# Altium PCB fpgav2.2.PcbDoc (part 3 of 5)
Units mm, origin at the board's own origin, x right, y up, seen from the top; angles counter-clockwise.
Board outline 100 x 100 mm, 4 copper layers (Top Layer, S1, S2, Bottom Layer), stack 1.853 mm thick; 11 components, 223 nets, 672 pads, 762 vias.
Unrouted connection lines stored in the file: 7.
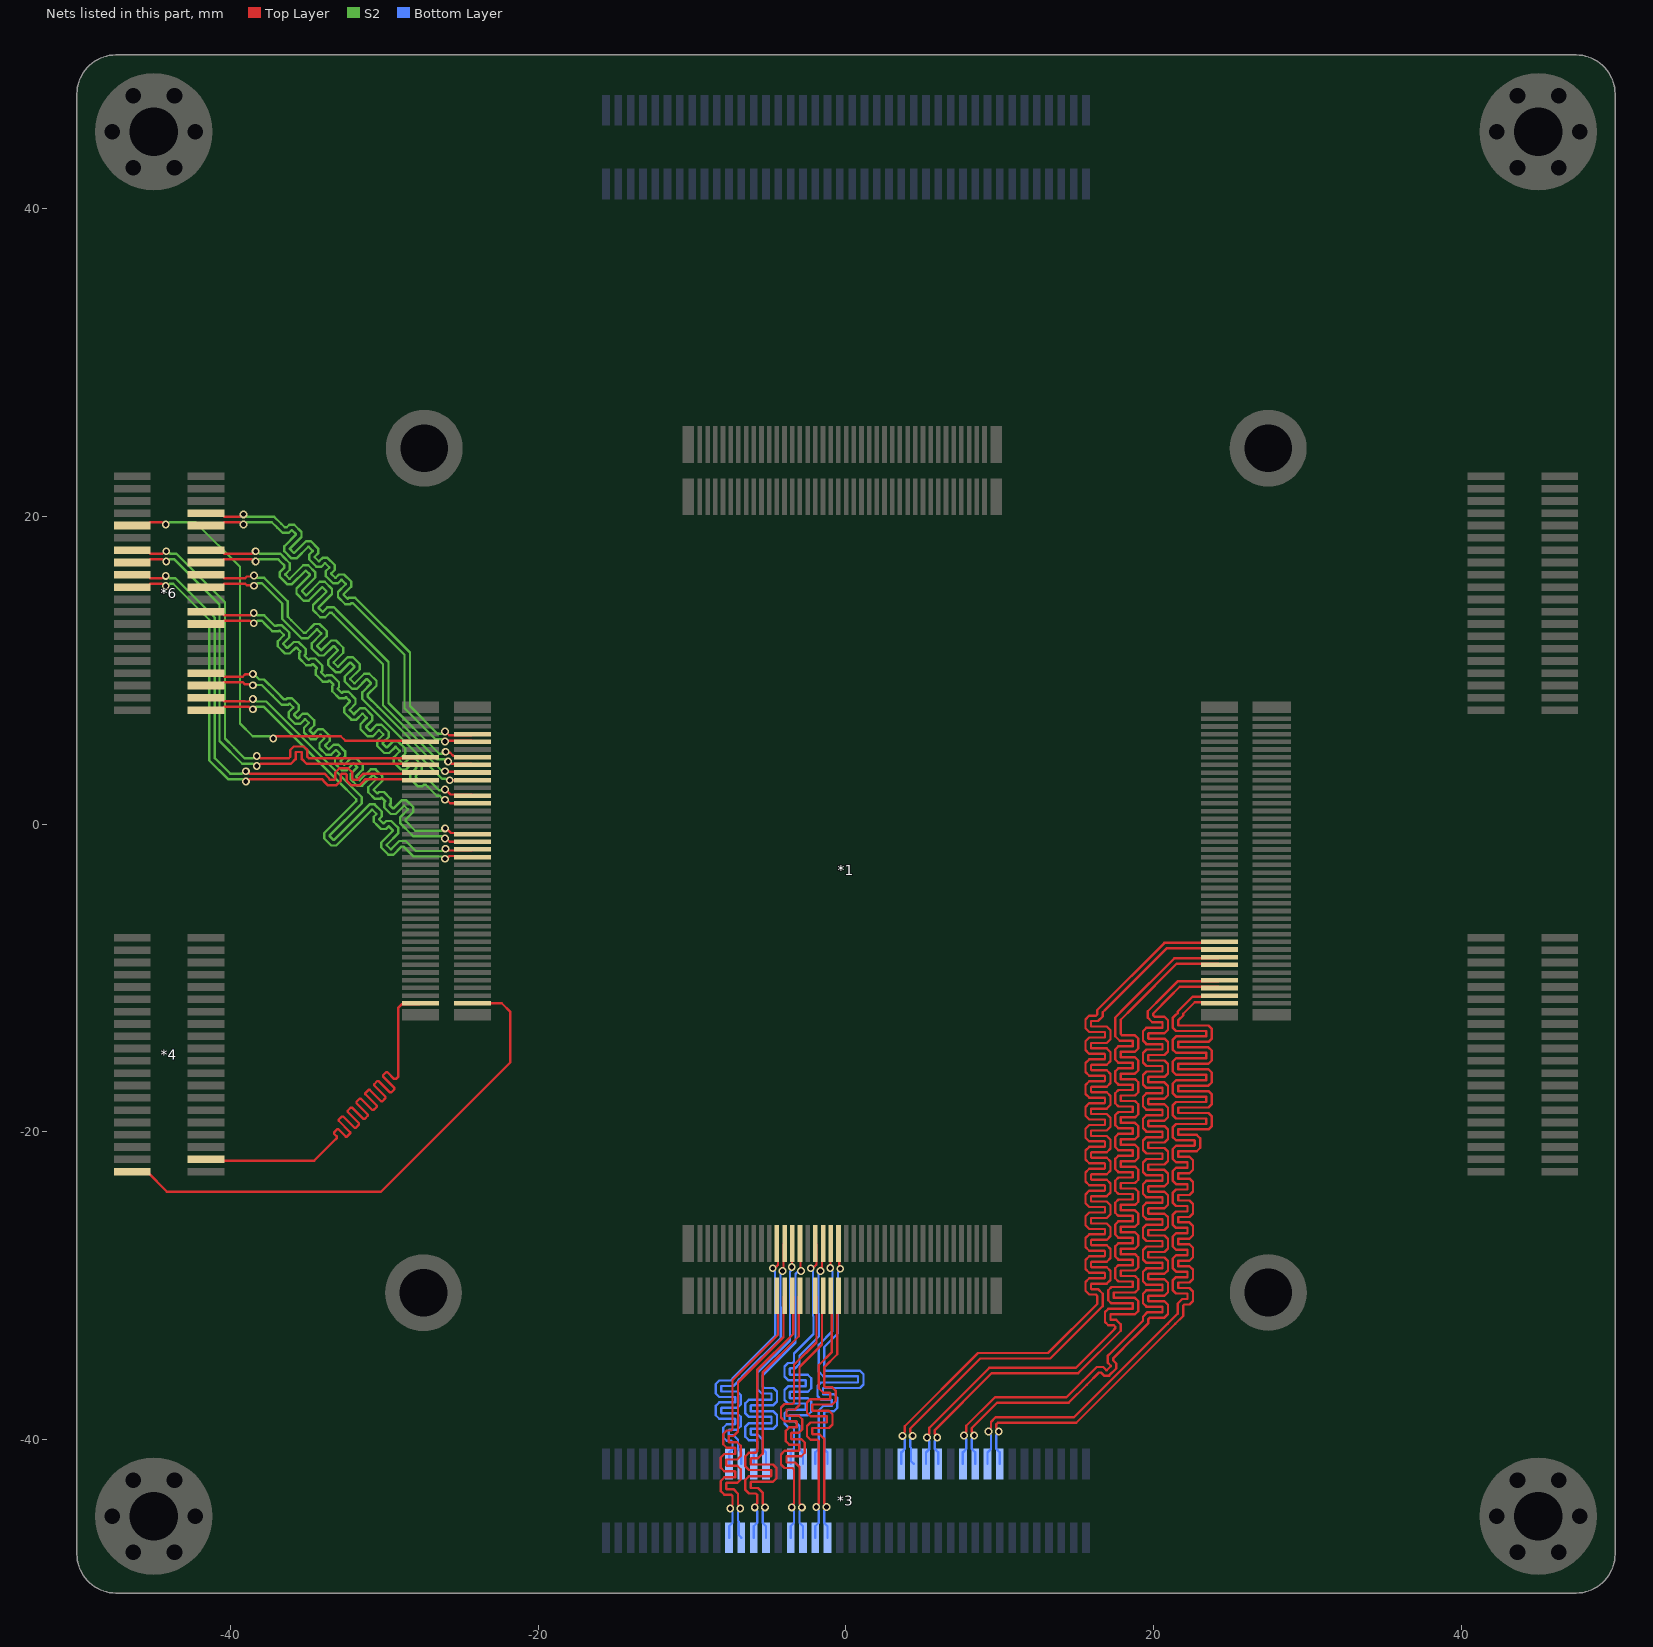
[diagram p5: the nets of this part, all layers, seen from the top]

## Via types
v1: diameter 0.508, hole 0.305, Top Layer to Bottom Layer, 418 vias
v2: diameter 0.635, hole 0.381, Top Layer to Bottom Layer, 340 vias
v3: diameter 0.559, hole 0.305, Top Layer to Bottom Layer, 4 vias

## Nets (pads, with @x,y where several pads share a name; then routed paths per layer and width w, separated by ;. In a path a pad name is that pad's centre, name@x,y a point inside that pad or via, vN(x,y) a via of type N, cw(c..) or ccw(c..) an arc to the next point about the centre after c; other vN are vias at no path point) (continued)
B15_L16_P: *1.232 *6.31 | length 30.7
  Top Layer w0.152: *6.31@-46.4,19.4 -45.45,19.4 -45.228,19.622 -44.47,19.622 ; v1(-37.236,5.553) -37.236,5.558 -37.09,5.705 -35.135,5.705 -35.13,5.71 -32.85,5.71 -32.559,5.419 -27.743,5.419 *1.232@-27.671,5.346
  S2 w0.152: v1(-44.221,19.47) -44.125,19.47 -43.973,19.622 -42.299,19.622 -39.397,16.72 -39.397,6.53 -38.573,5.705 -37.485,5.705 -37.333,5.553 v1(-37.236,5.553)
B15_L17_N: *1.226 *6.25 | length 30.3
  Top Layer w0.152: *6.25@-46.4,17 -45.45,17 -45.228,17.222 -44.824,17.222 -44.445,17.222 ; -38.055,3.919 -36.703,3.919 -36.076,3.919 -35.779,4.216 -35.779,4.66 -35.759,4.681 -35.393,4.681 -35.372,4.66 -35.372,4.216 -35.075,3.919 -33.985,3.919 -27.743,3.919 *1.226@-27.671,3.846
  S2 w0.152: v1(-44.196,17.07) -44.1,17.07 -43.947,17.222 -43.684,17.222 -40.73,14.268 -40.73,5.404 -39.245,3.919 -38.552,3.919 -38.399,3.766 v1(-38.303,3.766)
B15_L17_P: *1.228 *6.27 | length 30.3
  Top Layer w0.152: *6.27@-46.4,17.8 -45.45,17.8 -45.228,17.578 -44.971,17.578 -44.445,17.578 ; -38.055,4.274 -36.703,4.274 -36.224,4.274 -36.134,4.363 -36.134,4.808 -35.906,5.036 -35.245,5.036 -35.017,4.808 -35.017,4.363 -34.928,4.274 -33.985,4.274 -27.743,4.274 *1.228@-27.671,4.346
  S2 w0.152: v1(-44.196,17.73) -44.1,17.73 -43.947,17.578 -43.537,17.578 -40.374,14.415 -40.374,5.551 -39.775,4.952 -39.649,4.826 -39.098,4.274 -38.552,4.274 -38.399,4.427 v1(-38.303,4.427)
B15_L18_N: *1.224 *6.23 | length 30.5
  Top Layer w0.152: *6.23@-46.4,16.2 -45.45,16.2 -45.228,15.978 -44.47,15.978 ; -38.766,3.274 -37.821,3.274 -33.911,3.274 -33.614,2.977 -33.614,2.943 -33.553,2.882 -33.268,2.882 -33.207,2.943 -33.207,3.344 -32.938,3.614 -32.359,3.614 -32.09,3.344 -32.09,2.943 -32.029,2.882 -31.744,2.882 -31.683,2.943 -31.683,2.977 -31.386,3.274 -31.058,3.274 -27.743,3.274 *1.224@-27.671,3.346
  S2 w0.152: v1(-44.221,16.13) -44.125,16.13 -43.973,15.978 -43.592,15.978 -41.035,13.421 -41.035,4.281 -40.028,3.274 -39.263,3.274 -39.111,3.427 v1(-39.014,3.427)
B15_L18_P: *1.222 *6.21 | length 30.5
  Top Layer w0.152: *6.21@-46.4,15.4 -45.45,15.4 -45.228,15.622 -44.47,15.622 ; -38.766,2.919 -37.821,2.919 -34.058,2.919 -33.969,2.829 -33.969,2.796 -33.7,2.526 -33.121,2.526 -32.852,2.796 -32.852,3.197 -32.791,3.258 -32.506,3.258 -32.445,3.197 -32.445,2.796 -32.176,2.526 -31.597,2.526 -31.328,2.796 -31.328,2.829 -31.238,2.919 -31.058,2.919 -27.743,2.919 *1.222@-27.671,2.846
  S2 w0.152: v1(-44.221,15.47) -44.125,15.47 -43.973,15.622 -43.739,15.622 -41.39,13.274 -41.39,4.134 -40.175,2.919 -39.263,2.919 -39.111,2.766 v1(-39.014,2.766)
B15_L19_N: *1.203 *6.4 | length 30.7
  Top Layer w0.152: *6.4@-41.6,8.2 -40.65,8.2 -40.428,7.978 -39.074,7.978 -39.065,7.969 -38.815,7.969 -38.655,8.128 v1(-38.559,8.128) ; v1@-25.824,-1.726 -24.344,-1.726 *1.203@-24.272,-1.654
  S2 w0.152: v1(-38.559,8.128) -38.486,8.128 -38.327,7.969 -37.692,7.969 -32.78,3.057 -31.482,1.759 -31.482,1.338 -33.573,-0.753 -33.573,-0.782 -33.315,-1.04 -33.286,-1.04 -30.969,1.277 -30.646,1.277 -30.179,0.81 -30.179,0.487 -30.347,0.319 -30.347,0.29 -30.088,0.031 -30.059,0.031 -29.891,0.199 -29.568,0.199 -29.347,-0.022 -29.101,-0.268 -29.101,-0.591 -29.861,-1.351 -29.861,-1.379 -29.602,-1.638 -29.573,-1.638 -29.04,-1.104 -28.619,-1.104 -28.387,-1.336 -27.966,-1.757 -26.29,-1.757 -26.138,-1.605 v1(-26.041,-1.605)
B15_L19_P: *1.201 *6.2 | length 31
  Top Layer w0.152: *6.2@-41.6,7.4 -40.65,7.4 -40.428,7.622 -39.221,7.622 -39.212,7.613 -38.815,7.613 -38.655,7.454 v1(-38.559,7.454) ; v1(-26.065,-2.265) -25.968,-2.265 -25.785,-2.082 -24.344,-2.082 *1.201@-24.272,-2.154
  S2 w0.152: v1(-38.559,7.454) -38.493,7.454 -38.334,7.613 -37.839,7.613 -33.031,2.805 -31.838,1.612 -31.838,1.486 -33.929,-0.606 -33.929,-0.929 -33.462,-1.396 -33.139,-1.396 -30.822,0.921 -30.793,0.921 -30.534,0.663 -30.534,0.634 -30.702,0.466 -30.702,0.143 -30.456,-0.104 -30.235,-0.324 -29.912,-0.324 -29.744,-0.156 -29.715,-0.156 -29.457,-0.415 -29.457,-0.444 -30.216,-1.203 -30.216,-1.527 -29.749,-1.994 -29.426,-1.994 -28.892,-1.46 -28.766,-1.46 -28.638,-1.588 -28.113,-2.113 -26.313,-2.113 -26.161,-2.265 v1(-26.065,-2.265)
B15_L20_N: *1.207 *6.8 | length 31.4
  Top Layer w0.152: *6.8@-41.6,9.8 -40.65,9.8 -40.428,9.578 -39.214,9.578 -39.065,9.727 -38.586,9.727 v1(-38.559,9.754) ; v1(-26.061,-0.285) -25.969,-0.285 -25.674,-0.58 -24.346,-0.58 *1.207@-24.272,-0.654
  S2 w0.152: v1(-38.559,9.754) -38.505,9.754 -38.147,9.395 -37.83,9.395 -37.027,8.592 -36.534,8.1 -36.408,8.1 -36.333,8.175 -36.013,8.175 -35.579,7.74 -35.579,7.421 -35.882,7.118 -35.882,7.092 -35.655,6.866 -35.63,6.866 -35.326,7.17 -35.006,7.17 -34.572,6.736 -34.572,6.416 -34.876,6.112 -34.876,6.087 -34.65,5.86 -34.624,5.86 -34.321,6.163 -34.002,6.163 -33.567,5.729 -33.567,5.409 -33.87,5.106 -33.87,5.081 -33.644,4.855 -33.619,4.855 -33.316,5.158 -32.996,5.158 -32.561,4.723 -32.561,4.403 -32.864,4.1 -32.864,4.075 -32.638,3.849 -32.613,3.849 -32.179,4.283 -31.859,4.283 -31.425,3.848 -31.425,3.528 -31.858,3.094 -31.858,3.069 -31.632,2.843 -31.607,2.843 -30.901,3.549 -30.581,3.549 -30.147,3.115 -30.147,2.795 -30.702,2.239 -30.702,2.214 -30.476,1.988 -30.451,1.988 -30.36,2.078 -30.04,2.078 -29.606,1.644 -29.606,1.324 -29.67,1.26 -29.67,1.235 -29.443,1.009 -29.418,1.009 -28.889,1.538 -28.57,1.538 -28.135,1.103 -28.135,0.783 -28.613,0.305 -28.613,0.179 -27.998,-0.437 -27.968,-0.437 -26.31,-0.437 -26.157,-0.285 v1(-26.061,-0.285)
B15_L20_P: *1.205 *6.6 | length 31.2
  Top Layer w0.152: *6.6@-41.6,9 -40.65,9 -40.428,9.222 -39.214,9.222 -39.07,9.078 -38.619,9.078 v1(-38.559,9.018) ; v1(-26.069,-0.945) -25.973,-0.945 -25.764,-1.154 *1.205@-24.272,-1.154
  S2 w0.152: v1(-38.559,9.018) -38.537,9.04 -37.978,9.04 -37.278,8.34 -36.682,7.744 -36.261,7.744 -36.186,7.819 -36.16,7.819 -35.934,7.593 -35.934,7.568 -36.237,7.265 -36.237,6.945 -35.803,6.511 -35.483,6.511 -35.179,6.815 -35.154,6.815 -34.927,6.588 -34.927,6.563 -35.231,6.259 -35.231,5.939 -34.797,5.505 -34.477,5.505 -34.174,5.808 -34.149,5.808 -33.922,5.582 -33.922,5.556 -34.226,5.253 -34.226,4.934 -33.791,4.499 -33.471,4.499 -33.168,4.802 -33.143,4.802 -32.917,4.576 -32.917,4.551 -33.22,4.248 -33.22,3.928 -32.785,3.493 -32.466,3.493 -32.032,3.927 -32.007,3.927 -31.78,3.701 -31.78,3.676 -32.214,3.242 -32.214,2.922 -31.779,2.487 -31.46,2.487 -30.754,3.194 -30.728,3.194 -30.502,2.967 -30.502,2.942 -31.058,2.386 -31.058,2.067 -30.623,1.632 -30.303,1.632 -30.213,1.723 -30.188,1.723 -29.961,1.496 -29.961,1.471 -30.025,1.407 -30.025,1.088 -29.591,0.653 -29.271,0.653 -28.742,1.182 -28.717,1.182 -28.491,0.956 -28.491,0.93 -28.969,0.452 -28.969,0.031 -28.234,-0.703 -28.145,-0.793 -26.317,-0.793 -26.165,-0.945 v1(-26.069,-0.945)
B15_L21_N: *1.217 *6.18 | length 31.4
  Top Layer w0.152: *6.18@-41.6,13.8 -40.65,13.8 -40.428,13.578 -39.246,13.578 -39.232,13.564 -38.755,13.564 -38.603,13.716 v1(-38.506,13.716) ; v1(-26.065,2.241) -26.024,2.241 -25.703,1.92 -24.346,1.92 *1.217@-24.272,1.846
  S2 w0.152: v1(-38.506,13.716) -38.41,13.716 -38.258,13.564 -37.826,13.564 -37.48,13.218 -37.143,12.881 -37.017,12.881 -36.985,12.912 -36.662,12.912 -36.195,12.446 -36.195,12.122 -36.591,11.727 -36.591,11.698 -36.332,11.439 -36.303,11.439 -35.908,11.835 -35.585,11.835 -35.118,11.368 -35.118,11.045 -35.198,10.964 -35.198,10.936 -34.939,10.677 -34.91,10.677 -34.83,10.757 -34.507,10.757 -34.04,10.29 -34.04,9.967 -34.12,9.887 -34.12,9.858 -33.861,9.599 -33.833,9.599 -33.753,9.68 -33.429,9.68 -32.962,9.213 -32.962,8.889 -33.042,8.809 -33.042,8.78 -32.784,8.522 -32.755,8.522 -32.675,8.602 -32.352,8.602 -31.885,8.135 -31.885,7.812 -32.266,7.431 -32.266,7.402 -32.007,7.143 -31.978,7.143 -31.597,7.524 -31.274,7.524 -30.807,7.057 -30.807,6.734 -31.203,6.339 -31.203,6.31 -30.944,6.051 -30.915,6.051 -30.52,6.447 -30.196,6.447 -29.729,5.98 -29.729,5.656 -30.125,5.261 -30.125,5.232 -29.866,4.974 -29.838,4.974 -29.442,5.369 -29.119,5.369 -28.652,4.902 -28.652,4.579 -29.047,4.183 -29.047,4.155 -28.789,3.896 -28.76,3.896 -28.364,4.291 -28.041,4.291 -27.574,3.824 -27.574,3.501 -27.97,3.106 -27.97,3.077 -27.711,2.818 -27.682,2.818 -27.592,2.909 -27.171,2.909 -26.939,2.677 -26.458,2.196 -26.11,2.196 v1(-26.065,2.241)
B15_L21_P: *1.215 *6.16 | length 31.4
  Top Layer w0.152: *6.16@-41.6,13 -40.65,13 -40.428,13.222 -39.417,13.222 -39.402,13.208 -38.755,13.208 -38.603,13.056 v1(-38.506,13.056) ; v1(-26.065,1.581) -25.968,1.581 -25.734,1.346 *1.215@-24.272,1.346
  S2 w0.152: v1(-38.506,13.056) -38.41,13.056 -38.258,13.208 -37.973,13.208 -37.732,12.967 -37.29,12.525 -36.87,12.525 -36.838,12.557 -36.809,12.557 -36.551,12.298 -36.551,12.269 -36.946,11.874 -36.946,11.551 -36.479,11.084 -36.156,11.084 -35.761,11.479 -35.732,11.479 -35.473,11.221 -35.473,11.192 -35.553,11.112 -35.553,10.788 -35.086,10.321 -34.763,10.321 -34.683,10.402 -34.654,10.402 -34.396,10.143 -34.396,10.114 -34.476,10.034 -34.476,9.711 -34.009,9.244 -33.685,9.244 -33.605,9.324 -33.577,9.324 -33.318,9.065 -33.318,9.037 -33.398,8.956 -33.398,8.633 -32.931,8.166 -32.608,8.166 -32.528,8.246 -32.499,8.246 -32.24,7.988 -32.24,7.959 -32.621,7.578 -32.621,7.255 -32.154,6.788 -31.831,6.788 -31.45,7.169 -31.421,7.169 -31.163,6.91 -31.163,6.881 -31.558,6.486 -31.558,6.163 -31.091,5.696 -30.768,5.696 -30.372,6.091 -30.344,6.091 -30.085,5.832 -30.085,5.804 -30.481,5.408 -30.481,5.085 -30.014,4.618 -29.69,4.618 -29.295,5.013 -29.266,5.013 -29.007,4.755 -29.007,4.726 -29.403,4.331 -29.403,4.007 -28.936,3.54 -28.613,3.54 -28.217,3.936 -28.188,3.936 -27.93,3.677 -27.93,3.648 -28.325,3.253 -28.325,2.93 -27.858,2.463 -27.535,2.463 -27.444,2.553 -27.318,2.553 -27.191,2.426 -26.605,1.84 -26.42,1.84 -26.161,1.581 v1(-26.065,1.581)
B15_L22_N: *1.227 *6.28 | length 31.2
  Top Layer w0.152: *6.28@-41.6,17.8 -40.65,17.8 -40.428,17.578 -38.628,17.578 -38.476,17.73 v1(-38.379,17.73) ; v1(-26.027,4.7) -25.959,4.631 -25.73,4.631 -25.519,4.42 -24.346,4.42 *1.227@-24.272,4.346
  S2 w0.152: v1(-38.379,17.73) -38.283,17.73 -38.131,17.578 -36.785,17.578 -36.528,17.32 -36.156,16.948 -36.156,16.527 -36.447,16.236 -36.447,16.207 -36.189,15.949 -36.16,15.949 -35.283,16.825 -34.96,16.825 -34.493,16.358 -34.493,16.035 -35.37,15.158 -35.37,15.13 -35.111,14.871 -35.082,14.871 -34.206,15.748 -33.882,15.748 -33.415,15.281 -33.415,14.957 -34.292,14.081 -34.292,14.052 -34.033,13.793 -34.005,13.793 -33.713,14.085 -33.292,14.085 -33.061,13.853 -29.743,10.536 -29.743,7.862 -26.442,4.561 -26.262,4.561 -26.123,4.7 v1(-26.027,4.7)
B15_L22_P: *1.225 *6.26 | length 30.9
  Top Layer w0.152: *6.26@-41.6,17 -40.65,17 -40.428,17.222 -38.628,17.222 -38.476,17.07 v1(-38.379,17.07) ; -25.633,3.92 -24.346,3.92 *1.225@-24.272,3.847
  S2 w0.152: v1(-38.379,17.07) -38.311,17.002 -38.311,17.042 -38.131,17.222 -36.933,17.222 -36.779,17.069 -36.511,16.801 -36.511,16.675 -36.803,16.383 -36.803,16.06 -36.336,15.593 -36.013,15.593 -35.136,16.47 -35.107,16.47 -34.849,16.211 -34.849,16.182 -35.725,15.306 -35.725,14.982 -35.258,14.515 -34.935,14.515 -34.058,15.392 -34.03,15.392 -33.771,15.133 -33.771,15.105 -34.648,14.228 -34.648,13.905 -34.181,13.438 -33.857,13.438 -33.566,13.729 -33.44,13.729 -33.312,13.602 -30.099,10.389 -30.099,7.714 -26.59,4.205 -26.11,4.205 -25.963,4.059 v1(-25.867,4.059)
B15_L23_N: *1.223 *6.24 | length 31.2
  Top Layer w0.152: *6.24@-41.6,16.2 -40.65,16.2 -40.428,15.978 -39.061,15.978 -38.953,16.086 -38.549,16.086 v1(-38.481,16.154) ; v1(-26.065,3.428) -26.024,3.387 -24.313,3.387 *1.223@-24.272,3.346
  S2 w0.152: v1(-38.481,16.154) -38.385,16.154 -38.232,16.002 -37.826,16.002 -36.297,14.473 -36.297,13.481 -36.059,13.243 -35.248,12.432 -35.122,12.432 -34.548,13.007 -34.224,13.007 -33.757,12.54 -33.757,12.217 -34.38,11.593 -34.38,11.565 -34.122,11.306 -34.093,11.306 -33.47,11.929 -33.147,11.929 -32.68,11.462 -32.68,11.139 -33.303,10.516 -33.303,10.487 -33.044,10.228 -33.015,10.228 -32.392,10.852 -32.069,10.852 -31.602,10.385 -31.602,10.061 -32.225,9.438 -32.225,9.409 -31.967,9.151 -31.938,9.151 -31.315,9.774 -30.991,9.774 -30.524,9.307 -30.524,8.984 -31.099,8.409 -31.099,8.283 -30.432,7.617 -26.312,3.496 -26.133,3.496 v1(-26.065,3.428)
B15_L23_P: *1.221 *6.22 | length 31.2
  Top Layer w0.152: *6.22@-41.6,15.4 -40.65,15.4 -40.428,15.622 -39.061,15.622 -38.964,15.525 -38.512,15.525 v1(-38.481,15.494) ; v1(-25.756,2.845) *1.221@-24.273,2.846
  S2 w0.152: v1(-38.481,15.494) -38.385,15.494 -38.232,15.646 -37.973,15.646 -36.652,14.326 -36.652,13.334 -36.31,12.991 -35.396,12.077 -34.975,12.077 -34.4,12.651 -34.372,12.651 -34.113,12.393 -34.113,12.364 -34.736,11.741 -34.736,11.417 -34.269,10.95 -33.946,10.95 -33.323,11.574 -33.294,11.574 -33.035,11.315 -33.035,11.286 -33.658,10.663 -33.658,10.34 -33.191,9.873 -32.868,9.873 -32.245,10.496 -32.216,10.496 -31.958,10.237 -31.958,10.209 -32.581,9.585 -32.581,9.262 -32.114,8.795 -31.791,8.795 -31.167,9.418 -31.139,9.418 -30.88,9.16 -30.88,9.131 -31.454,8.557 -31.454,8.136 -30.684,7.365 -26.264,2.946 -26.029,2.946 -25.996,2.913 -25.824,2.913 v1(-25.756,2.845)
B15_L24_N: *1.233 *6.34 | length 30.7
  Top Layer w0.152: *6.34@-41.6,20.2 -40.65,20.2 -40.428,19.978 -39.415,19.978 ; v1(-26.065,6.019) -26.042,6.019 -25.798,5.774 -24.344,5.774 *1.233@-24.272,5.847
  S2 w0.152: v1(-39.167,20.13) -39.071,20.13 -38.918,19.978 -37.179,19.978 -36.718,19.517 -36.486,19.285 -36.36,19.285 -36.188,19.458 -35.864,19.458 -35.397,18.991 -35.397,18.668 -36.155,17.91 -36.155,17.881 -35.896,17.623 -35.867,17.623 -35.11,18.38 -34.787,18.38 -34.32,17.913 -34.32,17.59 -34.541,17.369 -34.541,17.34 -34.282,17.081 -34.254,17.081 -34.032,17.303 -33.709,17.303 -33.242,16.836 -33.242,16.512 -33.463,16.291 -33.463,16.262 -33.205,16.004 -33.176,16.004 -32.955,16.225 -32.631,16.225 -32.165,15.758 -32.165,15.435 -32.669,14.93 -32.669,14.902 -32.41,14.643 -32.381,14.643 -32.323,14.701 -31.902,14.701 -31.671,14.47 -28.346,11.145 -28.346,7.666 -26.547,5.867 -26.313,5.867 -26.161,6.019 v1(-26.065,6.019)
B15_L24_P: *1.231 *6.32 | length 30.7
  Top Layer w0.152: *6.32@-41.6,19.4 -40.65,19.4 -40.428,19.622 -39.415,19.622 ; v1(-26.065,5.359) -26.005,5.419 -24.344,5.419 *1.231@-24.272,5.346
  S2 w0.152: v1(-39.167,19.47) -39.071,19.47 -38.918,19.622 -37.326,19.622 -36.97,19.266 -36.634,18.93 -36.213,18.93 -36.04,19.102 -36.012,19.102 -35.753,18.844 -35.753,18.815 -36.51,18.057 -36.51,17.734 -36.044,17.267 -35.72,17.267 -34.963,18.025 -34.934,18.025 -34.675,17.766 -34.675,17.737 -34.897,17.516 -34.897,17.193 -34.43,16.726 -34.106,16.726 -33.885,16.947 -33.856,16.947 -33.598,16.688 -33.598,16.66 -33.819,16.438 -33.819,16.115 -33.352,15.648 -33.029,15.648 -32.807,15.869 -32.779,15.869 -32.52,15.611 -32.52,15.582 -33.024,15.078 -33.024,14.754 -32.557,14.287 -32.234,14.287 -32.176,14.346 -32.05,14.346 -31.922,14.218 -28.702,10.998 -28.702,7.519 -26.694,5.511 -26.313,5.511 -26.161,5.359 v1(-26.065,5.359)
B16_IO0: *1.163 *4.1 | length 34.6
  Top Layer w0.152: *4.1@-46.4,-22.6 -45.45,-22.6 -44.149,-23.901 -30.226,-23.901 -21.819,-15.494 -21.819,-12.217 -22.383,-11.653 *1.163@-24.272,-11.653
B16_IO25: *1.164 *4.4 | length 34.5
  Top Layer w0.152: *4.4@-41.6,-21.8 -41.505,-21.895 -34.577,-21.895 -33.167,-20.485 -33.113,-20.432 -33.113,-20.305 -33.282,-20.137 -33.282,-20.051 -33.081,-19.85 -32.994,-19.85 -32.523,-20.321 -32.437,-20.321 -32.235,-20.12 -32.235,-20.034 -32.971,-19.298 -32.971,-19.212 -32.77,-19.011 -32.684,-19.011 -31.948,-19.746 -31.862,-19.746 -31.661,-19.545 -31.661,-19.459 -32.396,-18.723 -32.396,-18.637 -32.195,-18.436 -32.109,-18.436 -31.373,-19.172 -31.287,-19.172 -31.086,-18.97 -31.086,-18.884 -31.822,-18.149 -31.822,-18.062 -31.621,-17.861 -31.534,-17.861 -30.799,-18.597 -30.712,-18.597 -30.511,-18.396 -30.511,-18.309 -31.247,-17.574 -31.247,-17.488 -31.046,-17.286 -30.96,-17.286 -30.224,-18.022 -30.138,-18.022 -29.937,-17.821 -29.937,-17.735 -30.672,-16.999 -30.672,-16.913 -30.471,-16.712 -30.385,-16.712 -29.649,-17.447 -29.563,-17.447 -29.362,-17.246 -29.362,-17.16 -30.097,-16.424 -30.097,-16.338 -29.896,-16.137 -29.81,-16.137 -29.378,-16.57 -29.251,-16.57 -29.1,-16.418 -29.1,-11.934 -28.893,-11.727 -27.745,-11.727 *1.164@-27.671,-11.653
B16_L1_N: *1.61 *3.32 | length 74.7
  Top Layer w0.152: v1(3.67,-39.776) 3.67,-39.68 3.822,-39.528 3.822,-39.147 8.577,-34.392 13.137,-34.392 16.332,-31.196 16.332,-30.861 16.332,-30.681 16.243,-30.591 15.814,-30.591 15.57,-30.347 15.57,-29.768 15.814,-29.525 16.805,-29.525 16.84,-29.489 16.84,-29.205 16.805,-29.169 15.814,-29.169 15.57,-28.925 15.57,-28.346 15.814,-28.102 16.805,-28.102 16.84,-28.067 16.84,-27.782 16.805,-27.747 15.814,-27.747 15.57,-27.503 15.57,-26.924 15.814,-26.68 16.805,-26.68 16.84,-26.644 16.84,-26.36 16.805,-26.324 15.814,-26.324 15.57,-26.08 15.57,-25.501 15.814,-25.257 16.805,-25.257 16.84,-25.222 16.84,-24.937 16.805,-24.902 15.814,-24.902 15.57,-24.658 15.57,-24.079 15.814,-23.835 16.805,-23.835 16.84,-23.799 16.84,-23.515 16.805,-23.479 15.814,-23.479 15.57,-23.235 15.57,-22.656 15.814,-22.413 16.805,-22.413 16.84,-22.377 16.84,-22.093 16.805,-22.057 15.814,-22.057 15.57,-21.813 15.57,-21.234 15.814,-20.99 16.805,-20.99 16.84,-20.955 16.84,-20.67 16.805,-20.635 15.814,-20.635 15.57,-20.391 15.57,-19.812 15.814,-19.568 16.805,-19.568 16.84,-19.532 16.84,-19.248 16.805,-19.212 15.814,-19.212 15.57,-18.968 15.57,-18.389 15.814,-18.145 16.805,-18.145 16.84,-18.11 16.84,-17.825 16.805,-17.79 15.814,-17.79 15.57,-17.546 15.57,-16.967 15.814,-16.723 16.805,-16.723 16.84,-16.687 16.84,-16.403 16.805,-16.367 15.814,-16.367 15.57,-16.123 15.57,-15.544 15.814,-15.301 16.805,-15.301 16.84,-15.265 16.84,-14.981 16.805,-14.945 15.814,-14.945 15.57,-14.701 15.57,-14.122 15.814,-13.878 16.805,-13.878 16.84,-13.843 16.84,-13.558 16.805,-13.523 15.814,-13.523 15.57,-13.279 15.57,-12.7 15.814,-12.456 16.243,-12.456 16.332,-12.366 16.332,-12.096 16.372,-12.056 20.697,-7.731 24.2,-7.731 *1.61@24.272,-7.659
  Bottom Layer w0.152: *3.32@3.6,-41.6 3.6,-40.85 3.822,-40.628 3.822,-40.224 3.822,-40.025
B16_L1_P: *1.63 *3.30 | length 74.1
  Top Layer w0.152: v1(4.33,-39.776) 4.33,-39.68 4.178,-39.528 4.178,-39.294 8.724,-34.747 13.284,-34.747 16.688,-31.344 16.688,-30.861 16.688,-30.533 16.39,-30.236 15.961,-30.236 15.926,-30.2 15.926,-29.916 15.961,-29.88 16.952,-29.88 17.196,-29.636 17.196,-29.057 16.952,-28.813 15.961,-28.813 15.926,-28.778 15.926,-28.493 15.961,-28.458 16.952,-28.458 17.196,-28.214 17.196,-27.635 16.952,-27.391 15.961,-27.391 15.926,-27.355 15.926,-27.071 15.961,-27.035 16.952,-27.035 17.196,-26.791 17.196,-26.212 16.952,-25.969 15.961,-25.969 15.926,-25.933 15.926,-25.649 15.961,-25.613 16.952,-25.613 17.196,-25.369 17.196,-24.79 16.952,-24.546 15.961,-24.546 15.926,-24.511 15.926,-24.226 15.961,-24.191 16.952,-24.191 17.196,-23.947 17.196,-23.368 16.952,-23.124 15.961,-23.124 15.926,-23.088 15.926,-22.804 15.961,-22.768 16.952,-22.768 17.196,-22.524 17.196,-21.945 16.952,-21.701 15.961,-21.701 15.926,-21.666 15.926,-21.381 15.961,-21.346 16.952,-21.346 17.196,-21.102 17.196,-20.523 16.952,-20.279 15.961,-20.279 15.926,-20.243 15.926,-19.959 15.961,-19.923 16.952,-19.923 17.196,-19.679 17.196,-19.1 16.952,-18.857 15.961,-18.857 15.926,-18.821 15.926,-18.537 15.961,-18.501 16.952,-18.501 17.196,-18.257 17.196,-17.678 16.952,-17.434 15.961,-17.434 15.926,-17.399 15.926,-17.114 15.961,-17.079 16.952,-17.079 17.196,-16.835 17.196,-16.256 16.952,-16.012 15.961,-16.012 15.926,-15.976 15.926,-15.692 15.961,-15.656 16.952,-15.656 17.196,-15.412 17.196,-14.833 16.952,-14.589 15.961,-14.589 15.926,-14.554 15.926,-14.269 15.961,-14.234 16.952,-14.234 17.196,-13.99 17.196,-13.411 16.952,-13.167 15.961,-13.167 15.926,-13.131 15.926,-12.847 15.961,-12.811 16.39,-12.811 16.688,-12.514 16.688,-12.243 16.874,-12.056 20.844,-8.086 24.2,-8.086 *1.63@24.272,-8.159
  Bottom Layer w0.152: 4.178,-40.025 4.178,-40.371 4.178,-40.498 4.226,-40.546 4.226,-41.426 *3.30@4.4,-41.6
B16_L2_N: *1.284 *3.45 | length 20.9
  Top Layer w0.152: v1(-1.93,-44.399) -1.93,-44.303 -1.778,-44.151 -1.778,-40.298 -1.778,-40.118 -1.867,-40.029 -2.311,-40.029 -2.54,-39.8 -2.54,-39.14 -2.311,-38.911 -1.259,-38.911 -1.238,-38.891 -1.238,-38.525 -1.259,-38.505 -2.311,-38.505 -2.54,-38.276 -2.54,-37.616 -2.311,-37.387 -1.036,-37.387 -1.016,-37.367 -1.016,-37.001 -1.036,-36.981 -1.48,-36.981 -1.778,-36.683 -1.778,-36.195 -1.778,-35.184 -0.919,-34.325 -0.919,-30.743 *1.284@-0.991,-30.671
  Bottom Layer w0.152: *3.45@-2,-46.4 -2,-45.65 -1.778,-45.428 -1.778,-45.024 -1.778,-44.648
B16_L2_P: *1.282 *3.43 | length 20.9
  Top Layer w0.152: v1(-1.27,-44.399) -1.27,-44.303 -1.422,-44.151 -1.422,-40.298 -1.422,-39.971 -1.72,-39.673 -2.164,-39.673 -2.184,-39.653 -2.184,-39.287 -2.164,-39.267 -1.111,-39.267 -0.883,-39.038 -0.883,-38.378 -1.111,-38.149 -2.164,-38.149 -2.184,-38.129 -2.184,-37.763 -2.164,-37.743 -0.889,-37.743 -0.66,-37.514 -0.66,-36.854 -0.889,-36.625 -1.333,-36.625 -1.422,-36.536 -1.422,-36.195 -1.422,-35.331 -0.563,-34.472 -0.563,-30.743 *1.282@-0.491,-30.671
  Bottom Layer w0.152: -1.422,-44.648 -1.422,-45.171 -1.422,-45.428 -1.2,-45.65 *3.43@-1.2,-46.4
B16_L3_N: *1.288 *3.49 | length 20.8
  Top Layer w0.152: v1(-3.53,-44.425) -3.53,-44.328 -3.378,-44.176 -3.378,-42.139 -3.378,-41.958 -3.467,-41.869 -4,-41.869 -4.229,-41.64 -4.229,-40.98 -4,-40.751 -3.053,-40.751 -3.033,-40.731 -3.033,-40.365 -3.053,-40.345 -3.683,-40.345 -3.912,-40.116 -3.912,-39.456 -3.683,-39.227 -3.221,-39.227 -3.2,-39.207 -3.2,-38.841 -3.221,-38.821 -4,-38.821 -4.229,-38.592 -4.229,-37.932 -4,-37.703 -3.467,-37.703 -3.378,-37.614 -3.378,-35.916 -3.378,-35.158 -1.919,-33.699 -1.919,-30.743 *1.288@-1.991,-30.671
  Bottom Layer w0.152: *3.49@-3.6,-46.4 -3.6,-45.65 -3.378,-45.428 -3.378,-45.024 -3.378,-44.673
B16_L3_P: *1.286 *3.47 | length 20.8
  Top Layer w0.152: v1(-2.87,-44.425) -2.87,-44.328 -3.022,-44.176 -3.022,-42.139 -3.022,-41.811 -3.32,-41.513 -3.853,-41.513 -3.873,-41.493 -3.873,-41.127 -3.853,-41.107 -2.906,-41.107 -2.677,-40.878 -2.677,-40.218 -2.906,-39.989 -3.536,-39.989 -3.556,-39.969 -3.556,-39.603 -3.536,-39.583 -3.073,-39.583 -2.845,-39.354 -2.845,-38.694 -3.073,-38.465 -3.853,-38.465 -3.873,-38.445 -3.873,-38.079 -3.853,-38.059 -3.32,-38.059 -3.022,-37.761 -3.022,-35.916 -3.022,-35.306 -1.563,-33.847 -1.563,-30.743 *1.286@-1.491,-30.671
  Bottom Layer w0.152: -3.022,-44.673 -3.022,-45.171 -3.022,-45.428 -2.8,-45.65 *3.47@-2.8,-46.4
B16_L4_N: *1.65 *3.28 | length 74.2
  Top Layer w0.152: v1(5.27,-39.878) 5.27,-39.782 5.422,-39.629 5.422,-39.248 9.314,-35.357 14.94,-35.357 17.441,-32.857 17.501,-32.797 17.501,-32.676 17.411,-32.587 17.047,-32.587 16.838,-32.379 16.838,-31.728 17.047,-31.52 18.644,-31.52 18.644,-31.164 17.259,-31.164 17.051,-30.956 17.051,-30.306 17.259,-30.098 18.644,-30.098 18.644,-29.742 17.709,-29.742 17.501,-29.534 17.501,-28.884 17.709,-28.675 18.644,-28.675 18.644,-28.32 17.709,-28.32 17.501,-28.111 17.501,-27.461 17.709,-27.253 18.644,-27.253 18.644,-26.897 17.709,-26.897 17.501,-26.689 17.501,-26.039 17.709,-25.83 18.644,-25.83 18.644,-25.475 17.709,-25.475 17.501,-25.267 17.501,-24.616 17.709,-24.408 18.644,-24.408 18.644,-24.053 17.709,-24.053 17.501,-23.844 17.501,-23.194 17.709,-22.986 18.644,-22.986 18.644,-22.63 17.709,-22.63 17.501,-22.422 17.501,-21.772 17.709,-21.563 18.644,-21.563 18.644,-21.208 17.709,-21.208 17.501,-20.999 17.501,-20.349 17.709,-20.141 18.644,-20.141 18.644,-19.785 17.709,-19.785 17.501,-19.577 17.501,-18.927 17.709,-18.719 18.644,-18.719 18.644,-18.363 17.709,-18.363 17.501,-18.155 17.501,-17.504 17.709,-17.296 18.644,-17.296 18.644,-16.941 17.709,-16.941 17.501,-16.732 17.501,-16.082 17.709,-15.874 18.644,-15.874 18.644,-15.518 17.709,-15.518 17.501,-15.31 17.501,-14.66 17.709,-14.451 18.644,-14.451 18.644,-14.096 17.798,-14.096 17.501,-13.798 17.501,-12.578 18.178,-11.901 21.348,-8.731 24.2,-8.731 *1.65@24.272,-8.659
  Bottom Layer w0.152: *3.28@5.2,-41.6 5.2,-40.85 5.422,-40.628 5.422,-40.127
B16_L4_P: *1.67 *3.26 | length 73.6
  Top Layer w0.152: v1(5.93,-39.878) 5.93,-39.782 5.778,-39.629 5.778,-39.395 9.461,-35.712 15.088,-35.712 17.856,-32.944 17.856,-32.857 17.856,-32.529 17.559,-32.231 17.194,-32.231 17.194,-31.876 18.791,-31.876 18.999,-31.667 18.999,-31.017 18.791,-30.809 17.407,-30.809 17.407,-30.453 18.791,-30.453 18.999,-30.245 18.999,-29.595 18.791,-29.386 17.856,-29.386 17.856,-29.031 18.791,-29.031 18.999,-28.823 18.999,-28.172 18.791,-27.964 17.856,-27.964 17.856,-27.608 18.791,-27.608 18.999,-27.4 18.999,-26.75 18.791,-26.542 17.856,-26.542 17.856,-26.186 18.791,-26.186 18.999,-25.978 18.999,-25.328 18.791,-25.119 17.856,-25.119 17.856,-24.764 18.791,-24.764 18.999,-24.555 18.999,-23.905 18.791,-23.697 17.856,-23.697 17.856,-23.341 18.791,-23.341 18.999,-23.133 18.999,-22.483 18.791,-22.275 17.856,-22.275 17.856,-21.919 18.791,-21.919 18.999,-21.711 18.999,-21.06 18.791,-20.852 17.856,-20.852 17.856,-20.497 18.791,-20.497 18.999,-20.288 18.999,-19.638 18.791,-19.43 17.856,-19.43 17.856,-19.074 18.791,-19.074 18.999,-18.866 18.999,-18.216 18.791,-18.007 17.856,-18.007 17.856,-17.652 18.791,-17.652 18.999,-17.443 18.999,-16.793 18.791,-16.585 17.856,-16.585 17.856,-16.229 18.791,-16.229 18.999,-16.021 18.999,-15.371 18.791,-15.163 17.856,-15.163 17.856,-14.807 18.791,-14.807 18.999,-14.599 18.999,-13.948 18.791,-13.74 17.945,-13.74 17.856,-13.651 17.856,-12.725 18.681,-11.901 21.495,-9.087 24.2,-9.087 *1.67@24.272,-9.159
  Bottom Layer w0.152: 5.778,-40.127 5.778,-40.628 6,-40.85 *3.26@6,-41.6
B16_L5_N: *1.283 *3.46 | length 21.2
  Top Layer w0.152: v1(-1.027,-28.861) -1.009,-28.843 -1.009,-27.29 *1.283@-0.991,-27.272
  Bottom Layer w0.152: *3.46@-2,-41.6 -2,-40.85 -1.778,-40.628 -1.778,-39.218 -1.778,-38.128 -1.48,-37.83 -0.939,-37.83 -0.918,-37.81 -0.918,-37.444 -0.939,-37.424 -1.62,-37.424 -1.849,-37.195 -1.849,-36.535 -1.62,-36.306 0.761,-36.306 0.781,-36.286 0.781,-35.92 0.761,-35.9 -1.48,-35.9 -1.778,-35.602 -1.778,-34.442 -1.778,-33.863 -0.876,-32.961 -0.876,-29.109 -1.027,-28.957 v1(-1.027,-28.861)
B16_L5_P: *1.281 *3.44 | length 21.2
  Top Layer w0.152: *1.281@-0.491,-27.272 -0.43,-27.333 -0.43,-28.847 v1(-0.368,-28.908)
  Bottom Layer w0.152: *3.44@-1.2,-41.6 -1.2,-40.85 -1.422,-40.628 -1.422,-39.218 -1.422,-38.275 -1.333,-38.186 -0.791,-38.186 -0.563,-37.957 -0.563,-37.297 -0.791,-37.068 -1.473,-37.068 -1.493,-37.048 -1.493,-36.682 -1.473,-36.662 0.908,-36.662 1.137,-36.433 1.137,-35.773 0.908,-35.544 -1.333,-35.544 -1.422,-35.455 -1.422,-34.442 -1.422,-34.01 -0.52,-33.108 -0.52,-29.156 -0.368,-29.004 v1(-0.368,-28.908)
B16_L6_N: *1.71 *3.22 | length 74.3
  Top Layer w0.152: v1(7.67,-39.751) 7.67,-39.655 7.822,-39.502 7.822,-39.121 9.682,-37.262 14.337,-37.262 15.398,-36.2 16.299,-35.299 16.72,-35.299 16.927,-35.506 16.956,-35.506 17.214,-35.248 17.214,-35.219 17.007,-35.012 17.007,-34.591 17.239,-34.36 18.466,-33.133 19.304,-32.294 19.304,-32.03 19.602,-31.733 20.556,-31.733 20.574,-31.715 20.574,-31.395 20.556,-31.377 19.53,-31.377 19.304,-31.151 19.304,-30.536 19.53,-30.31 20.556,-30.31 20.574,-30.293 20.574,-29.973 20.556,-29.955 19.53,-29.955 19.304,-29.729 19.304,-29.114 19.53,-28.888 20.556,-28.888 20.574,-28.87 20.574,-28.55 20.556,-28.532 19.53,-28.532 19.304,-28.306 19.304,-27.692 19.53,-27.466 20.556,-27.466 20.574,-27.448 20.574,-27.128 20.556,-27.11 19.53,-27.11 19.304,-26.884 19.304,-26.269 19.53,-26.043 20.556,-26.043 20.574,-26.025 20.574,-25.705 20.556,-25.688 19.53,-25.688 19.304,-25.462 19.304,-24.847 19.53,-24.621 20.556,-24.621 20.574,-24.603 20.574,-24.283 20.556,-24.265 19.53,-24.265 19.304,-24.039 19.304,-23.424 19.53,-23.198 20.556,-23.198 20.574,-23.181 20.574,-22.861 20.556,-22.843 19.53,-22.843 19.304,-22.617 19.304,-22.002 19.53,-21.776 20.556,-21.776 20.574,-21.758 20.574,-21.438 20.556,-21.42 19.53,-21.42 19.304,-21.194 19.304,-20.58 19.53,-20.354 20.556,-20.354 20.574,-20.336 20.574,-20.016 20.556,-19.998 19.53,-19.998 19.304,-19.772 19.304,-19.157 19.53,-18.931 20.556,-18.931 20.574,-18.913 20.574,-18.593 20.556,-18.576 19.53,-18.576 19.304,-18.35 19.304,-17.735 19.53,-17.509 20.556,-17.509 20.574,-17.491 20.574,-17.171 20.556,-17.153 19.53,-17.153 19.304,-16.927 19.304,-16.312 19.53,-16.086 20.556,-16.086 20.574,-16.069 20.574,-15.749 20.556,-15.731 19.53,-15.731 19.304,-15.505 19.304,-14.89 19.53,-14.664 20.556,-14.664 20.574,-14.646 20.574,-14.326 20.556,-14.308 19.53,-14.308 19.304,-14.082 19.304,-13.468 19.53,-13.242 20.556,-13.242 20.574,-13.224 20.574,-12.904 20.556,-12.886 19.91,-12.886 19.613,-12.588 19.613,-12.168 20.636,-11.144 21.55,-10.231 24.2,-10.231 *1.71@24.272,-10.159
  Bottom Layer w0.152: *3.22@7.6,-41.6 7.6,-40.85 7.822,-40.628 7.822,-40
B16_L6_P: *1.73 *3.20 | length 73.7
  Top Layer w0.152: v1(8.33,-39.751) 8.33,-39.655 8.178,-39.502 8.178,-39.268 9.829,-37.617 14.484,-37.617 15.649,-36.452 16.446,-35.655 16.572,-35.655 16.78,-35.862 17.103,-35.862 17.57,-35.395 17.57,-35.072 17.363,-34.865 17.363,-34.738 17.49,-34.611 18.613,-33.488 18.758,-33.343 19.66,-32.442 19.66,-32.178 19.749,-32.088 20.703,-32.088 20.929,-31.862 20.929,-31.248 20.703,-31.022 19.677,-31.022 19.66,-31.004 19.66,-30.684 19.677,-30.666 20.703,-30.666 20.929,-30.44 20.929,-29.825 20.703,-29.599 19.677,-29.599 19.66,-29.581 19.66,-29.261 19.677,-29.244 20.703,-29.244 20.929,-29.018 20.929,-28.403 20.703,-28.177 19.677,-28.177 19.66,-28.159 19.66,-27.839 19.677,-27.821 20.703,-27.821 20.929,-27.595 20.929,-26.98 20.703,-26.754 19.677,-26.754 19.66,-26.737 19.66,-26.417 19.677,-26.399 20.703,-26.399 20.929,-26.173 20.929,-25.558 20.703,-25.332 19.677,-25.332 19.66,-25.314 19.66,-24.994 19.677,-24.976 20.703,-24.976 20.929,-24.75 20.929,-24.136 20.703,-23.91 19.677,-23.91 19.66,-23.892 19.66,-23.572 19.677,-23.554 20.703,-23.554 20.929,-23.328 20.929,-22.713 20.703,-22.487 19.677,-22.487 19.66,-22.469 19.66,-22.149 19.677,-22.132 20.703,-22.132 20.929,-21.906 20.929,-21.291 20.703,-21.065 19.677,-21.065 19.66,-21.047 19.66,-20.727 19.677,-20.709 20.703,-20.709 20.929,-20.483 20.929,-19.868 20.703,-19.642 19.677,-19.642 19.66,-19.625 19.66,-19.305 19.677,-19.287 20.703,-19.287 20.929,-19.061 20.929,-18.446 20.703,-18.22 19.677,-18.22 19.66,-18.202 19.66,-17.882 19.677,-17.864 20.703,-17.864 20.929,-17.638 20.929,-17.024 20.703,-16.798 19.677,-16.798 19.66,-16.78 19.66,-16.46 19.677,-16.442 20.703,-16.442 20.929,-16.216 20.929,-15.601 20.703,-15.375 19.677,-15.375 19.66,-15.357 19.66,-15.037 19.677,-15.02 20.703,-15.02 20.929,-14.794 20.929,-14.179 20.703,-13.953 19.677,-13.953 19.66,-13.935 19.66,-13.615 19.677,-13.597 20.703,-13.597 20.929,-13.371 20.929,-12.756 20.703,-12.53 20.058,-12.53 19.969,-12.441 19.969,-12.315 21.006,-11.278 21.697,-10.587 24.2,-10.587 *1.73@24.272,-10.659
  Bottom Layer w0.152: 8.178,-40 8.178,-40.628 8.4,-40.85 *3.20@8.4,-41.6
B16_L7_N: *1.287 *3.50 | length 20.8
  Top Layer w0.152: -2.034,-28.751 -1.919,-28.636 -1.919,-27.344 *1.287@-1.991,-27.272
  Bottom Layer w0.152: *3.50@-3.6,-41.6 -3.6,-40.85 -3.378,-40.628 -3.378,-39.472 -3.378,-39.291 -3.467,-39.202 -3.773,-39.202 -4.001,-38.973 -4.001,-38.313 -3.773,-38.084 -2.636,-38.084 -2.616,-38.064 -2.616,-37.698 -2.636,-37.678 -3.773,-37.678 -4.001,-37.449 -4.001,-36.789 -3.773,-36.56 -2.636,-36.56 -2.616,-36.54 -2.616,-36.174 -2.636,-36.154 -3.773,-36.154 -4.001,-35.925 -4.001,-35.265 -3.773,-35.036 -3.467,-35.036 -3.378,-34.947 -3.378,-34.722 -3.378,-34.422 -2.108,-33.152 -2.108,-31.995 -2.145,-31.958 -2.145,-29.114 -2.288,-28.971 v1(-2.288,-28.875)
B16_L7_P: *1.285 *3.48 | length 20.6
  Top Layer w0.152: -1.587,-28.807 -1.563,-28.783 -1.563,-27.344 *1.285@-1.491,-27.272
  Bottom Layer w0.152: *3.48@-2.8,-41.6 -2.8,-40.85 -3.022,-40.628 -3.022,-39.472 -3.022,-39.144 -3.32,-38.846 -3.625,-38.846 -3.646,-38.826 -3.646,-38.46 -3.625,-38.44 -2.489,-38.44 -2.26,-38.211 -2.26,-37.551 -2.489,-37.322 -3.625,-37.322 -3.646,-37.302 -3.646,-36.936 -3.625,-36.916 -2.489,-36.916 -2.26,-36.687 -2.26,-36.027 -2.489,-35.798 -3.625,-35.798 -3.646,-35.778 -3.646,-35.412 -3.625,-35.392 -3.32,-35.392 -3.022,-35.094 -3.022,-34.722 -3.022,-34.569 -1.753,-33.299 -1.753,-31.848 -1.789,-31.811 -1.789,-29.295 -1.655,-29.161 v1(-1.655,-29.065)
B16_L8_N: *1.77 *3.16 | length 74.3
  Top Layer w0.152: v1(9.93,-39.497) 9.93,-39.401 9.778,-39.248 9.778,-39.014 9.867,-38.925 14.974,-38.925 21.411,-32.488 21.92,-31.979 21.92,-31.323 22.009,-31.234 22.332,-31.234 22.558,-31.008 22.558,-30.393 22.332,-30.167 21.608,-30.167 21.59,-30.149 21.59,-29.829 21.608,-29.811 22.332,-29.811 22.558,-29.585 22.558,-28.971 22.332,-28.744 21.608,-28.744 21.59,-28.727 21.59,-28.407 21.608,-28.389 22.332,-28.389 22.558,-28.163 22.558,-27.548 22.332,-27.322 21.608,-27.322 21.59,-27.304 21.59,-26.984 21.608,-26.966 22.332,-26.966 22.558,-26.74 22.558,-26.126 22.332,-25.9 21.608,-25.9 21.59,-25.882 21.59,-25.562 21.608,-25.544 22.332,-25.544 22.558,-25.318 22.558,-24.703 22.332,-24.477 21.608,-24.477 21.59,-24.459 21.59,-24.139 21.608,-24.122 22.332,-24.122 22.558,-23.896 22.558,-23.281 22.332,-23.055 21.608,-23.055 21.59,-23.037 21.59,-22.717 21.608,-22.699 22.332,-22.699 22.558,-22.473 22.558,-21.859 22.332,-21.632 21.608,-21.632 21.59,-21.615 21.59,-21.295 21.608,-21.277 22.803,-21.277 23.029,-21.051 23.029,-20.436 22.803,-20.21 21.608,-20.21 21.59,-20.192 21.59,-19.872 21.608,-19.854 23.56,-19.854 23.786,-19.628 23.786,-19.014 23.56,-18.788 21.608,-18.788 21.59,-18.77 21.59,-18.45 21.608,-18.432 23.56,-18.432 23.786,-18.206 23.786,-17.591 23.56,-17.365 21.608,-17.365 21.59,-17.348 21.59,-17.027 21.608,-17.01 23.56,-17.01 23.786,-16.784 23.786,-16.169 23.56,-15.943 21.608,-15.943 21.59,-15.925 21.59,-15.605 21.608,-15.587 23.56,-15.587 23.786,-15.361 23.786,-14.747 23.56,-14.521 21.608,-14.521 21.59,-14.503 21.59,-14.183 21.608,-14.165 23.56,-14.165 23.786,-13.939 23.786,-13.324 23.56,-13.098 21.608,-13.098 21.59,-13.08 21.59,-12.76 21.608,-12.743 21.623,-12.743 21.92,-12.445 21.92,-12.337 22.671,-11.587 23.862,-11.587 24.2,-11.587 *1.77@24.272,-11.659
  Bottom Layer w0.152: 9.778,-39.746 9.778,-40.628 10,-40.85 *3.16@10,-41.6
B16_L8_P: *1.75 *3.18 | length 74.9
  Top Layer w0.152: v1(9.27,-39.497) 9.27,-39.401 9.422,-39.248 9.422,-38.867 9.72,-38.57 14.826,-38.57 20.908,-32.488 21.565,-31.831 21.565,-31.176 21.862,-30.878 22.184,-30.878 22.202,-30.86 22.202,-30.54 22.184,-30.522 21.46,-30.522 21.234,-30.296 21.234,-29.682 21.46,-29.456 22.184,-29.456 22.202,-29.438 22.202,-29.118 22.184,-29.1 21.46,-29.1 21.234,-28.874 21.234,-28.259 21.46,-28.033 22.184,-28.033 22.202,-28.015 22.202,-27.695 22.184,-27.678 21.46,-27.678 21.234,-27.452 21.234,-26.837 21.46,-26.611 22.184,-26.611 22.202,-26.593 22.202,-26.273 22.184,-26.255 21.46,-26.255 21.234,-26.029 21.234,-25.415 21.46,-25.188 22.184,-25.188 22.202,-25.171 22.202,-24.851 22.184,-24.833 21.46,-24.833 21.234,-24.607 21.234,-23.992 21.46,-23.766 22.184,-23.766 22.202,-23.748 22.202,-23.428 22.184,-23.41 21.46,-23.41 21.234,-23.184 21.234,-22.57 21.46,-22.344 22.184,-22.344 22.202,-22.326 22.202,-22.006 22.184,-21.988 21.46,-21.988 21.234,-21.762 21.234,-21.147 21.46,-20.921 22.656,-20.921 22.674,-20.904 22.674,-20.583 22.656,-20.566 21.46,-20.566 21.234,-20.34 21.234,-19.725 21.46,-19.499 23.412,-19.499 23.43,-19.481 23.43,-19.161 23.412,-19.143 21.46,-19.143 21.234,-18.917 21.234,-18.303 21.46,-18.076 23.412,-18.076 23.43,-18.059 23.43,-17.739 23.412,-17.721 21.46,-17.721 21.234,-17.495 21.234,-16.88 21.46,-16.654 23.412,-16.654 23.43,-16.636 23.43,-16.316 23.412,-16.298 21.46,-16.298 21.234,-16.072 21.234,-15.458 21.46,-15.232 23.412,-15.232 23.43,-15.214 23.43,-14.894 23.412,-14.876 21.46,-14.876 21.234,-14.65 21.234,-14.035 21.46,-13.809 23.412,-13.809 23.43,-13.792 23.43,-13.471 23.412,-13.454 21.46,-13.454 21.234,-13.228 21.234,-12.613 21.46,-12.387 21.475,-12.387 21.565,-12.298 21.565,-12.19 22.262,-11.493 22.524,-11.231 24.2,-11.231 *1.75@24.272,-11.159
  Bottom Layer w0.152: *3.18@9.2,-41.6 9.2,-40.85 9.422,-40.628 9.422,-39.746
B16_L9_N: *1.293 *3.56 | length 21.3
  Top Layer w0.152: v1(-3.523,-28.794) -3.507,-28.778 -3.507,-27.288 *1.293@-3.491,-27.272
  Bottom Layer w0.152: *3.56@-6,-41.6 -6,-40.85 -5.778,-40.628 -5.778,-40.336 -5.778,-40.156 -5.867,-40.066 -6.311,-40.066 -6.54,-39.838 -6.54,-39.177 -6.311,-38.949 -4.862,-38.949 -4.842,-38.929 -4.842,-38.563 -4.862,-38.542 -6.311,-38.542 -6.54,-38.314 -6.54,-37.653 -6.311,-37.425 -4.862,-37.425 -4.842,-37.405 -4.842,-37.039 -4.862,-37.018 -5.48,-37.018 -5.778,-36.721 -5.778,-35.992 -5.778,-35.704 -3.642,-33.569 -3.642,-29.107 -3.591,-29.055 -3.591,-28.862 v1(-3.523,-28.794)
B16_L9_P: *1.291 *3.54 | length 21.6
  Top Layer w0.152: *1.291@-2.991,-27.272 -2.956,-27.307 -2.956,-29.029 v1(-2.92,-29.065)
  Bottom Layer w0.152: *3.54@-5.2,-41.6 -5.2,-40.85 -5.422,-40.628 -5.422,-40.336 -5.422,-40.008 -5.72,-39.711 -6.164,-39.711 -6.184,-39.691 -6.184,-39.325 -6.164,-39.304 -4.715,-39.304 -4.486,-39.076 -4.486,-38.415 -4.715,-38.187 -6.164,-38.187 -6.184,-38.167 -6.184,-37.801 -6.164,-37.78 -4.715,-37.78 -4.486,-37.552 -4.486,-36.891 -4.715,-36.663 -5.333,-36.663 -5.422,-36.574 -5.422,-35.992 -5.422,-35.851 -3.287,-33.716 -3.287,-29.254 -3.165,-29.133 -2.988,-29.133 v1(-2.92,-29.065)
B16_L10_N: *1.294 *3.55 | length 20.8
  Top Layer w0.152: v1(-5.93,-44.425) -5.93,-44.328 -5.778,-44.176 -5.778,-43.79 -5.778,-43.609 -5.867,-43.52 -6.311,-43.52 -6.54,-43.291 -6.54,-42.631 -6.311,-42.402 -4.89,-42.402 -4.87,-42.382 -4.87,-42.016 -4.89,-41.996 -6.311,-41.996 -6.54,-41.767 -6.54,-41.107 -6.311,-40.878 -5.867,-40.878 -5.778,-40.789 -5.778,-40.008 -5.778,-35.501 -3.429,-33.152 -3.429,-32.368 -3.419,-32.358 -3.419,-30.743 *1.294@-3.491,-30.671
  Bottom Layer w0.152: *3.55@-6,-46.4 -6,-45.65 -5.778,-45.428 -5.778,-45.024 -5.778,-44.673
B16_L10_P: *1.292 *3.53 | length 20.8
  Top Layer w0.152: v1(-5.27,-44.425) -5.27,-44.328 -5.422,-44.176 -5.422,-43.79 -5.422,-43.462 -5.72,-43.164 -6.164,-43.164 -6.184,-43.144 -6.184,-42.778 -6.164,-42.758 -4.743,-42.758 -4.514,-42.529 -4.514,-41.869 -4.743,-41.64 -6.164,-41.64 -6.184,-41.62 -6.184,-41.254 -6.164,-41.234 -5.72,-41.234 -5.422,-40.936 -5.422,-40.008 -5.422,-35.648 -3.073,-33.299 -3.073,-32.515 -3.063,-32.505 -3.063,-30.743 *1.292@-2.991,-30.671
  Bottom Layer w0.152: -5.422,-44.673 -5.422,-45.171 -5.422,-45.428 -5.2,-45.65 *3.53@-5.2,-46.4
B16_L11_N: *1.297 *3.60 | length 20.9
  Top Layer w0.152: -4.508,-28.751 -4.419,-28.662 -4.419,-27.344 *1.297@-4.491,-27.272
  Bottom Layer w0.152: *3.60@-7.6,-41.6 -7.6,-40.85 -7.378,-40.628 -7.378,-40.361 -7.378,-40.18 -7.467,-40.091 -7.75,-40.091 -7.976,-39.865 -7.976,-39.251 -7.75,-39.024 -7.218,-39.024 -7.2,-39.007 -7.2,-38.687 -7.218,-38.669 -8.243,-38.669 -8.469,-38.443 -8.469,-37.828 -8.243,-37.602 -7.218,-37.602 -7.2,-37.584 -7.2,-37.264 -7.218,-37.246 -8.243,-37.246 -8.469,-37.02 -8.469,-36.406 -8.243,-36.18 -7.467,-36.18 -7.378,-36.09 -7.378,-36.034 -7.185,-35.841 -7.108,-35.765 -4.597,-33.254 -4.597,-31.566 -4.615,-31.548 -4.615,-29.118 -4.759,-28.975 v1(-4.759,-28.879)
B16_L11_P: *1.295 *3.58 | length 21
  Top Layer w0.152: v1(-4.125,-29.065) -4.063,-29.003 -4.063,-27.344 *1.295@-3.991,-27.272
  Bottom Layer w0.152: *3.58@-6.8,-41.6 -6.8,-40.85 -7.022,-40.628 -7.022,-40.361 -7.022,-40.033 -7.32,-39.736 -7.602,-39.736 -7.62,-39.718 -7.62,-39.398 -7.602,-39.38 -7.071,-39.38 -6.845,-39.154 -6.845,-38.539 -7.071,-38.313 -8.096,-38.313 -8.114,-38.295 -8.114,-37.975 -8.096,-37.958 -7.071,-37.958 -6.845,-37.732 -6.845,-37.117 -7.071,-36.891 -8.096,-36.891 -8.114,-36.873 -8.114,-36.553 -8.096,-36.535 -7.32,-36.535 -7.022,-36.238 -7.022,-36.181 -6.933,-36.092 -6.605,-35.765 -4.242,-33.401 -4.242,-31.418 -4.26,-31.4 -4.26,-29.296 -4.125,-29.161 v1(-4.125,-29.065)
B16_L12_N: *1.298 *3.59 | length 20.9
  Top Layer w0.152: v1(-7.53,-44.501) -7.53,-44.405 -7.378,-44.252 -7.378,-43.866 -7.378,-43.685 -7.467,-43.596 -7.911,-43.596 -8.14,-43.368 -8.14,-42.707 -7.911,-42.479 -7.221,-42.479 -7.2,-42.458 -7.2,-42.092 -7.221,-42.072 -7.911,-42.072 -8.14,-41.844 -8.14,-41.183 -7.911,-40.955 -7.221,-40.955 -7.2,-40.934 -7.2,-40.568 -7.221,-40.548 -7.747,-40.548 -7.976,-40.32 -7.976,-39.659 -7.747,-39.431 -7.467,-39.431 -7.378,-39.341 -7.378,-38.539 -7.378,-36.167 -4.419,-33.208 -4.419,-30.743 *1.298@-4.491,-30.671
  Bottom Layer w0.152: *3.59@-7.6,-46.4 -7.6,-45.65 -7.378,-45.428 -7.378,-45.024 -7.378,-44.749
B16_L12_P: *1.296 *3.57 | length 20.9
  Top Layer w0.152: v1(-6.87,-44.501) -6.87,-44.405 -7.022,-44.252 -7.022,-43.866 -7.022,-43.538 -7.32,-43.241 -7.764,-43.241 -7.784,-43.22 -7.784,-42.854 -7.764,-42.834 -7.073,-42.834 -6.845,-42.606 -6.845,-41.945 -7.073,-41.717 -7.764,-41.717 -7.784,-41.696 -7.784,-41.33 -7.764,-41.31 -7.073,-41.31 -6.845,-41.082 -6.845,-40.421 -7.073,-40.193 -7.6,-40.193 -7.62,-40.172 -7.62,-39.806 -7.6,-39.786 -7.32,-39.786 -7.022,-39.489 -7.022,-38.539 -7.022,-36.314 -4.063,-33.355 -4.063,-30.743 *1.296@-3.991,-30.671
  Bottom Layer w0.152: -7.022,-44.749 -7.022,-45.171 -7.022,-45.298 -6.974,-45.346 -6.974,-46.226 *3.57@-6.8,-46.4